# Altium PCB RevA3.PcbDoc (part 1 of 5) (continued)
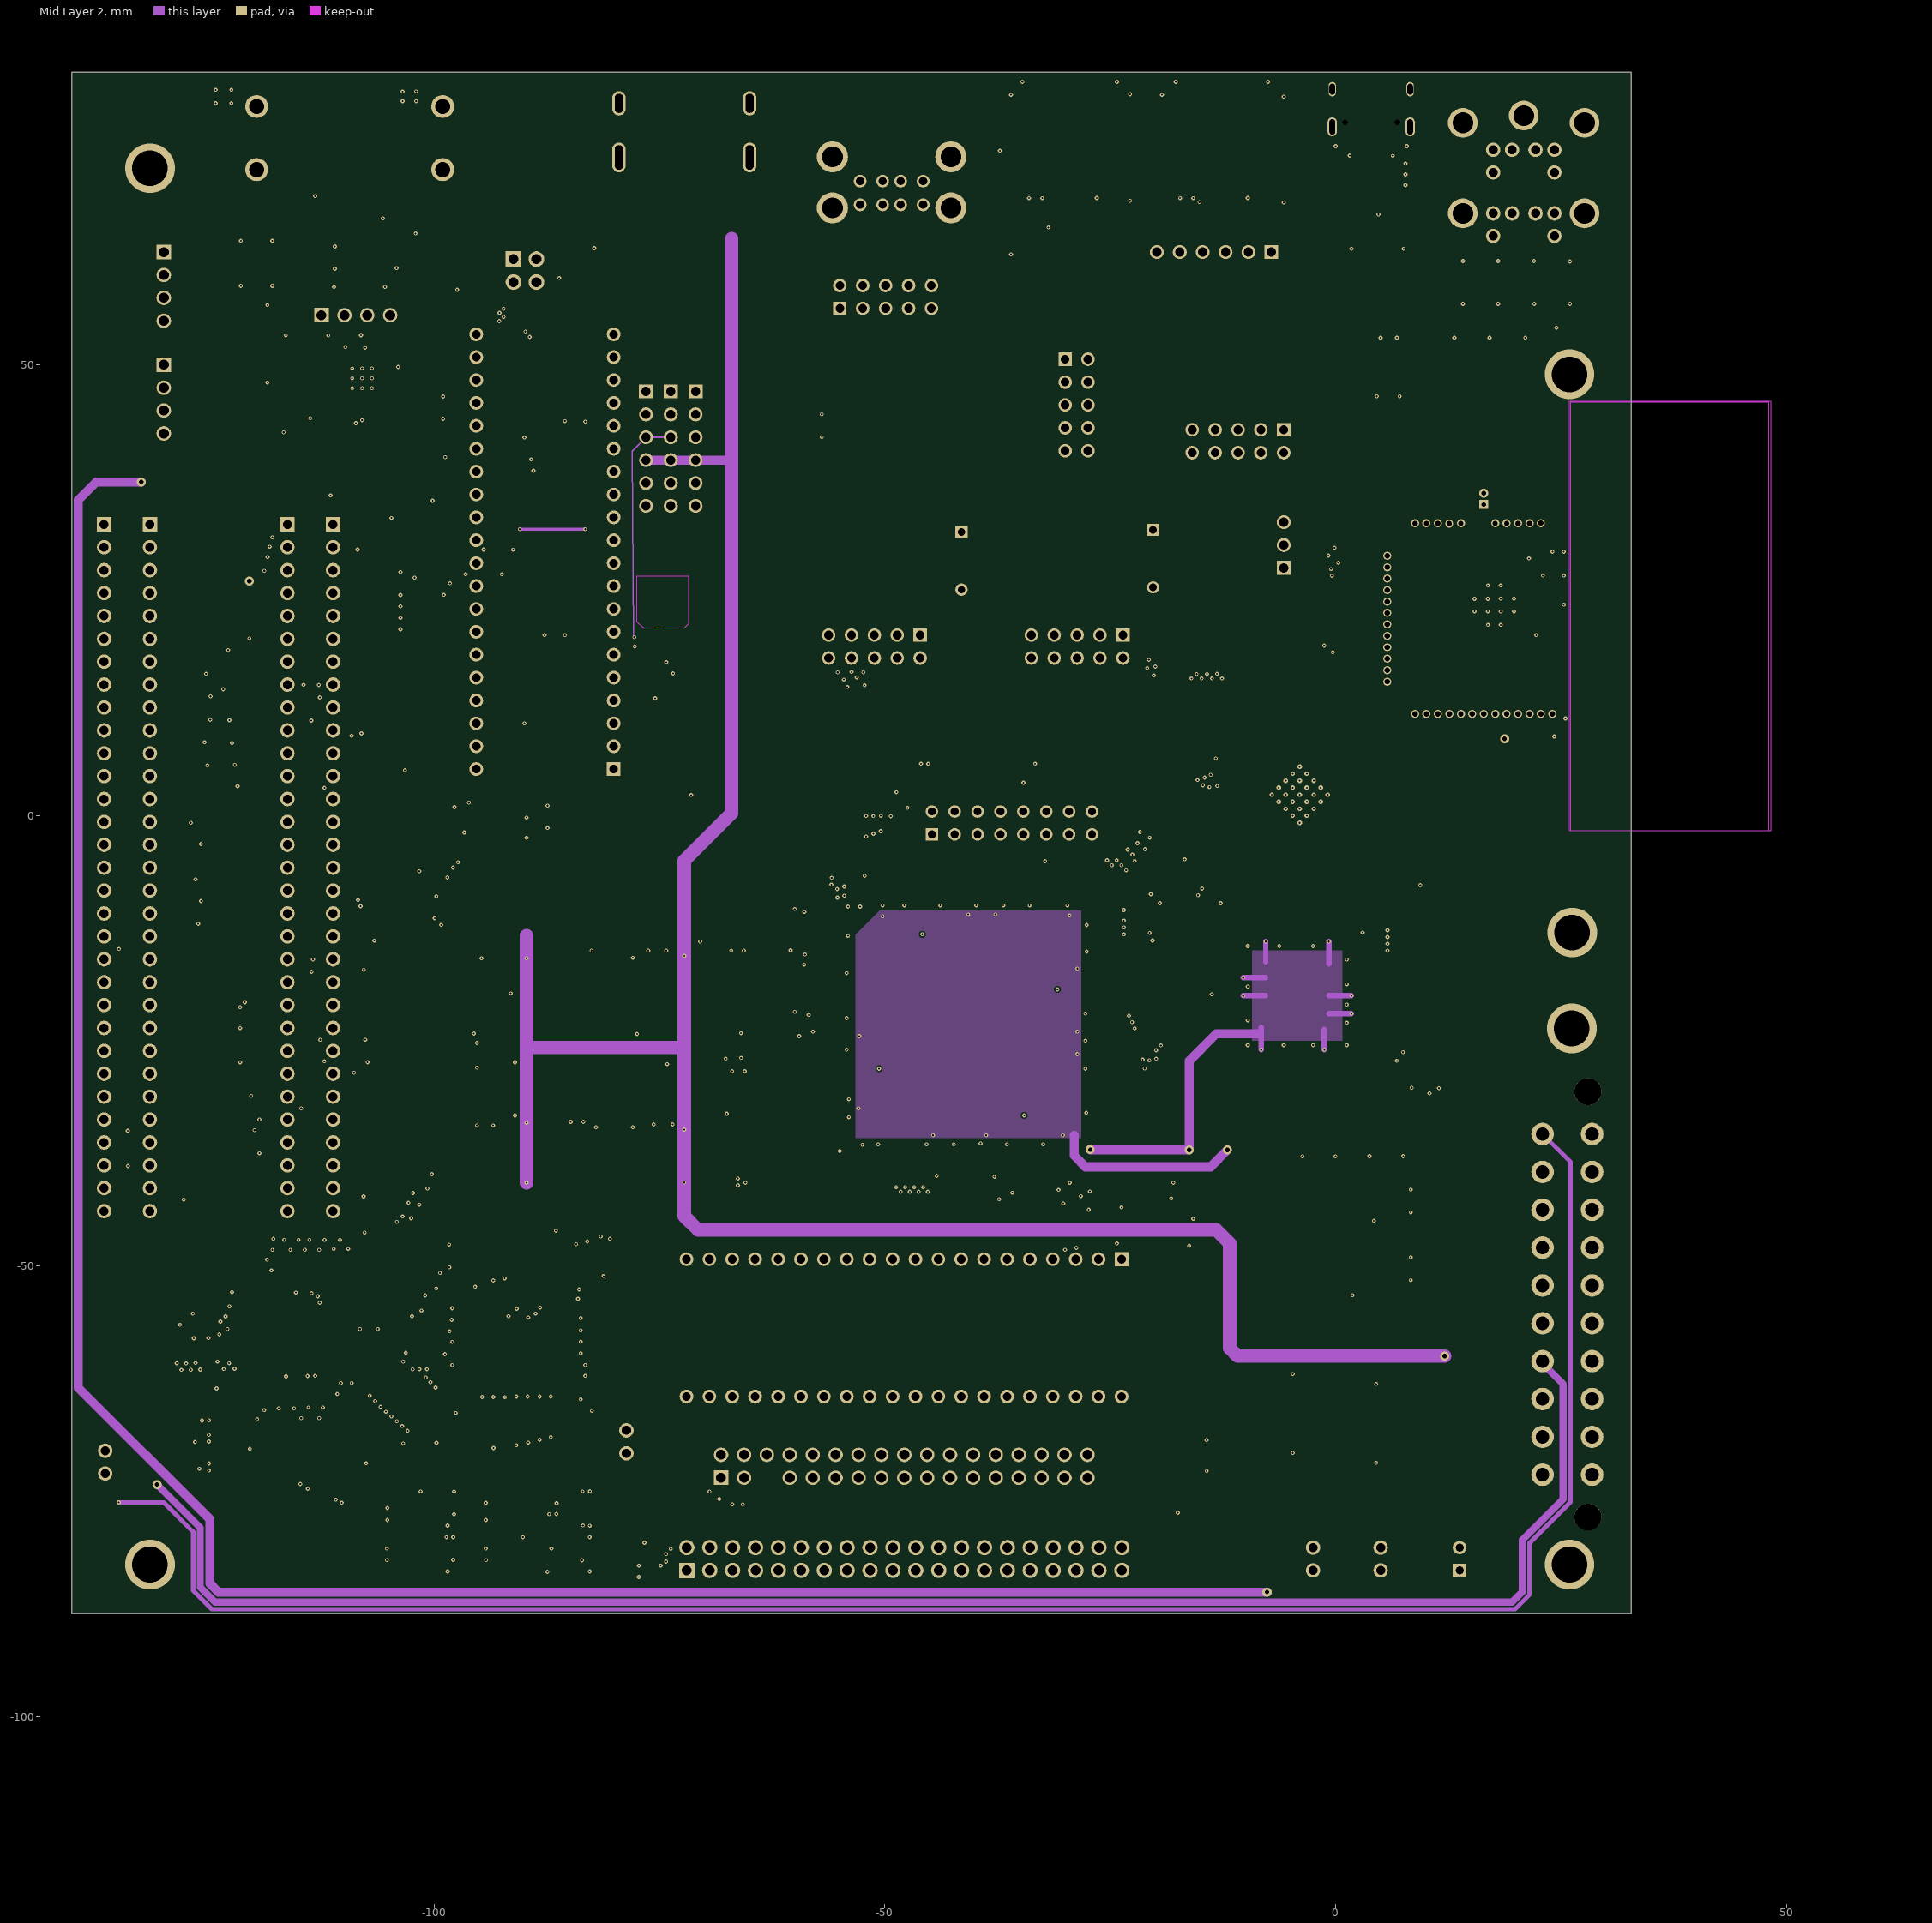
[diagram p3: Mid Layer 2]

## Layer stack, top to bottom
Top Solder: solder mask 0.0127, Solder Resist, Dk 3.8
Top Layer: signal copper 0.035
Dielectric 1: prepreg 0.1, 2313, Dk 4.05
Mid Layer 1: plane copper 0.0175, net GND
Core: core 1.265, FR-4, Dk 4.5
Mid Layer 2: signal copper 0.0175
Dielectric 2: prepreg 0.1, 2313, Dk 4.05
Bottom Layer: signal copper 0.035
Bottom Solder: solder mask 0.0127, Solder Resist, Dk 3.8

## Board outline
-140.2,-88.54 32.8,-88.54 32.8,82.46 -140.2,82.46

## Design rules (kind name [scope] priority, off if disabled: settings)
BoardOutlineClearance [All] p1: gap=0.2 ignorepadtopadclearanceinfootprint=FALSE
Clearance [All] p1: gap=0.15 ignorepadtopadclearanceinfootprint=FALSE except(0.2: Arc-SMDPad Arc-THPad Arc-Text Track-SMDPad Track-THPad Track-Text SMDPad-SMDPad SMDPad-Text THPad-Text Via-Text Fill-Text Poly-Text Region-Text Text-Text; 0.25: Arc-Hole Track-Hole THPad-Hole Via-Hole Fill-Hole Poly-Hole Region-Hole Text-Hole)
ComponentClearance [All] p1: gap=0.127 collisioncheckmode=3 verticalgap=0.127 showdistances=TRUE
DiffPairsRouting [All] p1: maxlimit=0.15 minlimit=0.15 mostfreqgap=0.15 toplayer_minwidth=0.15 toplayer_maxwidth=0.15 toplayer_prefwidth=0.15 midlayer1_minwidth=0.15 midlayer1_maxwidth=0.15 midlayer1_prefwidth=0.15 bottomlayer_minwidth=0.15 bottomlayer_maxwidth=0.15 bottomlayer_prefwidth=0.15 maxuncoupledlength=12.7
Height [All] p1: minheight=0 maxheight=1816.048 prefheight=12.7
HoleSize [All] p1: absolutevalues=TRUE maxlimit=6.3 minlimit=0.3 maxpercent=80.000 minpercent=20.000
HoleToHoleClearance [All] p1: gap=0.25 allowstackedmicrovias=FALSE
MatchedLengths "Schematic Matched Net Lengths_15" [InNet('HDMI_TX1_13_N')] p1: tolerance=0.254 checknetsindiffpair=FALSE checkdiffpairvsdiffpair=TRUE checkxsignals=TRUE checkothers=TRUE
MatchedLengths "Schematic Matched Net Lengths_14" [InNet('HDMI_TX0_13_N')] p2: tolerance=0.254 checknetsindiffpair=FALSE checkdiffpairvsdiffpair=TRUE checkxsignals=TRUE checkothers=TRUE
MatchedLengths "Schematic Matched Net Lengths_13" [InNet('HDMI_TX2_13_N')] p3: tolerance=0.254 checknetsindiffpair=FALSE checkdiffpairvsdiffpair=TRUE checkxsignals=TRUE checkothers=TRUE
MatchedLengths "Schematic Matched Net Lengths_12" [InNet('HDMI_CLK_13_P')] p4: tolerance=0.254 checknetsindiffpair=FALSE checkdiffpairvsdiffpair=TRUE checkxsignals=TRUE checkothers=TRUE
MatchedLengths "Schematic Matched Net Lengths_11" [InNet('HDMI_CLK_13_N')] p5: tolerance=0.254 checknetsindiffpair=FALSE checkdiffpairvsdiffpair=TRUE checkxsignals=TRUE checkothers=TRUE
MatchedLengths "Schematic Matched Net Lengths_10" [InNet('HDMI_TX1_13_P')] p6: tolerance=0.254 checknetsindiffpair=FALSE checkdiffpairvsdiffpair=TRUE checkxsignals=TRUE checkothers=TRUE
MatchedLengths "Schematic Matched Net Lengths_9" [InNet('HDMI_TX0_13_P')] p7: tolerance=0.254 checknetsindiffpair=FALSE checkdiffpairvsdiffpair=TRUE checkxsignals=TRUE checkothers=TRUE
MatchedLengths "Schematic Matched Net Lengths_8" [InNet('HDMI_TX2_13_P')] p8: tolerance=0.254 checknetsindiffpair=FALSE checkdiffpairvsdiffpair=TRUE checkxsignals=TRUE checkothers=TRUE
MatchedLengths "Schematic Matched Net Lengths_7" [InNet('HDMI_TX1_13_N')] p9: tolerance=0.127 checknetsindiffpair=TRUE checkdiffpairvsdiffpair=FALSE checkxsignals=FALSE checkothers=FALSE
MatchedLengths "Schematic Matched Net Lengths_6" [InNet('HDMI_TX0_13_N')] p10: tolerance=0.127 checknetsindiffpair=TRUE checkdiffpairvsdiffpair=FALSE checkxsignals=FALSE checkothers=FALSE
MatchedLengths "Schematic Matched Net Lengths_5" [InNet('HDMI_TX2_13_N')] p11: tolerance=0.127 checknetsindiffpair=TRUE checkdiffpairvsdiffpair=FALSE checkxsignals=FALSE checkothers=FALSE
MatchedLengths "Schematic Matched Net Lengths_4" [InNet('HDMI_CLK_13_P')] p12: tolerance=0.127 checknetsindiffpair=TRUE checkdiffpairvsdiffpair=FALSE checkxsignals=FALSE checkothers=FALSE
MatchedLengths "Schematic Matched Net Lengths_3" [InNet('HDMI_CLK_13_N')] p13: tolerance=0.127 checknetsindiffpair=TRUE checkdiffpairvsdiffpair=FALSE checkxsignals=FALSE checkothers=FALSE
MatchedLengths "Schematic Matched Net Lengths_2" [InNet('HDMI_TX1_13_P')] p14: tolerance=0.127 checknetsindiffpair=TRUE checkdiffpairvsdiffpair=FALSE checkxsignals=FALSE checkothers=FALSE
MatchedLengths "Schematic Matched Net Lengths_1" [InNet('HDMI_TX0_13_P')] p15: tolerance=0.127 checknetsindiffpair=TRUE checkdiffpairvsdiffpair=FALSE checkxsignals=FALSE checkothers=FALSE
MatchedLengths "Schematic Matched Net Lengths" [InNet('HDMI_TX2_13_P')] p16: tolerance=0.127 checknetsindiffpair=TRUE checkdiffpairvsdiffpair=FALSE checkxsignals=FALSE checkothers=FALSE
MinimumAnnularRing [All] p1: minimumring=0.076
MinimumSolderMaskSliver [All] p1: minsoldermaskwidth=0
PlaneClearance [All] p1: clearance=0.127
PlaneConnect PlaneConnectPowerPads [InPadClass('PowerPads')] p1: planeconnectstyle=Direct reliefexpansion=0.508 reliefentries=4 reliefconductorwidth=0.254 reliefairgap=0.254
PlaneConnect [All] p2: pad.planeconnectstyle=Relief pad.reliefexpansion=0.3 pad.reliefentries=4 pad.reliefconductorwidth=0.127 pad.reliefairgap=0.127 via.planeconnectstyle=Direct via.reliefexpansion=0.3 via.reliefentries=4 via.reliefconductorwidth=0.127 via.reliefairgap=0.127
PolygonConnect PolygonConnectPowerPads [All vs (InPadClass('PowerPads'))] p1: connectstyle=Direct reliefconductorwidth=0.254 reliefentries=4 polygonreliefangle="90 Angle" airgapwidth=0.254
PolygonConnect [All] p2: thpad.connectstyle=Relief thpad.reliefconductorwidth=0.127 thpad.reliefentries=4 thpad.polygonreliefangle="90 Angle" thpad.airgapwidth=0.127 smdpad.connectstyle=Relief smdpad.reliefconductorwidth=0.127 smdpad.reliefentries=4 smdpad.polygonreliefangle="90 Angle" smdpad.airgapwidth=0.127 via.connectstyle=Direct via.reliefconductorwidth=0.127 via.reliefentries=4 via.polygonreliefangle="90 Angle" via.airgapwidth=0.127
RoutingVias [All] p1: holewidth=0.3 width=0.6 viastyle="Through Hole" minholewidth=0.3 minwidth=0.6 maxholewidth=8 maxwidth=8
SilkToSilkClearance [All] p1: silktosilkclearance=0
SilkToSolderMaskClearance [IsPad] p1: minsilkscreentomaskgap=0.127 clearancetoexposedcopper=TRUE
SolderMaskExpansion [All] p1: expansion=0.05 istentingtop=FALSE
Width [All] p1: maxlimit=25.4 minlimit=0.15 preferedwidth=0.15 minimp=50.000000 maximp=50.000000 favimp=50.000000
20 further rules are at their usual default settings.

## Classes and differential pairs
component class U_PLL: C90 C91 D11 FB4 Q2 R47 R48 R50
net class FPGA_SEL[0..1]: FPGA_SEL0 FPGA_SEL1
net class RD[0..15]: RD0 RD1 RD2 RD3 RD4 RD5 RD6 RD7 RD8 RD9 RD10 RD11 RD12 RD13 RD14 RD15
net class RA[0..9]: RA0 RA1 RA2 RA3 RA4 RA5 RA6 RA7 RA8 RA9
net class U_Memory_Nets: NetRAM1_11 NetRAM1_12 NetRAM1_15 NetRAM1_16 NetRAM1_32 NetRAM2_11 NetRAM2_12 NetRAM2_15 NetRAM2_16 NetRAM2_32
net class "U_AY Amp_Nets": AVDD CHA_3 CHB_3 CHC_3 JDET_3 left_ch1_3 left_ch2_3 left_ch3_3 LOUT_3 NetC1_2 NetC2_2 NetC4_2 NetC5_2 NetC6_1 NetC6_2 NetC7_1 NetC8_1 NetC9_1 NetC9_2 NetC18_1 NetC19_1 NetC20_1 NetC21_1 NetD2_6 NetD3_5 NetD3_6 NetD3_7 NetD3_9 NetD3_12 NetD3_13 NetD3_14 NetD3_15 NetD3_16 NetD3_17 NetD3_18 NetD3_19 NetD3_20 NetD3_21 NetD3_39 NetD19_1 NetD19_3 NetD19_5 NetR26_1 NetR28_1 NetU1_20 NetU1_32 NetX7_2 NetX7_5 right_ch1_3 right_ch2_3 right_ch3_3 ROUT_3 SPK_LN_3 SPK_LP_3 SPK_RN_3 SPK_RP_3
net class U_Gamepads_Nets: GPAD1_BTN_B_10 GPAD1_BTN_C_10 GPAD1_DN_10 GPAD1_LEFT_10 GPAD1_RIGHT_10 GPAD1_UP_10 GPAD2_BTN_B_10 GPAD2_BTN_C_10 GPAD2_DN_10 GPAD2_LEFT_10 GPAD2_RIGHT_10 GPAD2_UP_10 GPAD_SELECT_10 LED1_10 NetC55_2 NetC56_2 NetU4_13 NetU5_13 NetX1_10 NetX14_10
net class FPGA_Nets: CLKZ_IN_1 CLKZ_OUT_1 CSROM_1 GPIO_0_1 GPIO_1_1 GPIO_2_1 GPIO_3_1 GPIO_4_1 GPIO_5_1 GPIO_6_1 GPIO_7_1 GPIO_8_1 GPIO_9_1 GPIO_10_1 GPIO_11_1 GPIO_12_1 GPIO_13_1 NetD3_2 NetD3_4 NetD3_8 NetD3_10 NetD3_11 NetD8_62 NetD8_134 NetD9_114 NetD9_139 NetD9_168 NetD9_186 NetD9_189 NetD9_190 NetX15_6 NetX15_7 NetX15_8 R\D\A\T\_\B\_1 R\O\M\P\G\0\_1 RES_1 TDI_FPGA_1 VCC5
net class U_FDC_Nets: D\I\R\_5 D\S\0\_5 D\S\1\_5 D\S\2\_5 D\S\3\_5 DIR_5 HD0_5 HD1_5 HD2_5 HD3_5 HD4_5 HD5_5 HD6_5 HD7_5 HD8_5 HD9_5 HD10_5 HD11_5 HD12_5 HD13_5 HD14_5 HD15_5 HDD_RDBUF_5 HDD_RDH_5 HDD_RDL_5 HDD_WRH_5 HDD_WRL_5 HDD_WROE_5 I\P\_5 M\O\T\_5 NetD7_12 NetD13_25 NetD14_12 NetD14_13 NetD14_14 NetD14_15 NetX15_2 NetX15_4 NetX15_5 NetX15_34 R\D\A\T\_5 S\I\D\E\_5 S\T\E\P\_5 T\R\0\0\_5 VG_DS0_5 VG_DS1_5 VG_DS2_5 VG_DS3_5 VG_MOT_5 W\D\_5 W\G\_5 W\P\_5 WG_5
net class U_ESP32_Nets: ESP_IO45_11 ESP_IO46_11 NetC10_1 NetC12_1 NetD5_2 NetD5_9 NetD5_10 NetD5_11 NetD5_12 NetD5_13 NetD5_14 NetD5_15 NetD5_16 NetD5_17 NetD5_18 NetD5_19 NetD5_20 NetD5_21 NetD5_22 NetD5_23 NetD5_24 NetD5_25 NetD5_26 NetD5_28 NetD5_29 NetD5_30 NetD5_31 NetD5_38 NetD5_39 NetD17_24 NetQ4_3 NetQ5_1 NetQ6_1 NetQ7_3 NetQ9_3 NetQ10_3 NetR98_1 NetR99_1 NetR104_1 NetR105_1 NetX2_7 P\R\G\R\S\T\_11 PS2_KEYB_CLK_11 PS2_KEYB_DAT_11 PS2_MOUS_CLK_11 PS2_MOUS_DAT_11
net class "U_CPU ROM_Nets": NetD16_11 NetD16_17 NetD16_33 NetD16_39
net class U_BUS_Nets: NetXS1_A5 NetXS1_A8 NetXS1_A17 NetXS1_A18 NetXS1_B4 NetXS1_B5 NetXS1_B20 NetXS1_B22 NetXS1_B23 NetXS2_A5 NetXS2_A8 NetXS2_A17 NetXS2_A18 NetXS2_A31 NetXS2_B4 NetXS2_B5 NetXS2_B20 NetXS2_B22 NetXS2_B23 NetXS2_B31 VCC12S
net class D[0..7]: D0 D1 D2 D3 D4 D5 D6 D7
net class A[0..15]: A0 A1 A2 A3 A4 A5 A6 A7 A8 A9 A10 A11 A12 A13 A14 A15
net class ROMPG[2..4]: ROMPG2 ROMPG3 ROMPG4
net class VDAT[0..15]: VDAT0 VDAT1 VDAT2 VDAT3 VDAT4 VDAT5 VDAT6 VDAT7 VDAT8 VDAT9 VDAT10 VDAT11 VDAT12 VDAT13 VDAT14 VDAT15
net class DAC_R[0..7]: DAC_R0 DAC_R1 DAC_R2 DAC_R3 DAC_R4 DAC_R5 DAC_R6 DAC_R7
net class DAC_G[0..7]: DAC_G0 DAC_G1 DAC_G2 DAC_G3 DAC_G4 DAC_G5 DAC_G6 DAC_G7
net class DAC_B[0..7]: DAC_B0 DAC_B1 DAC_B2 DAC_B3 DAC_B4 DAC_B5 DAC_B6 DAC_B7
component class U_USB: C35 C36 C38 C39 C92 C93 C94 C95 D8 J6 J7 Q1 Q3 R36 RN6 U2 X9
component class "U_Video out": C65 J8 R37 R43 R45 R54 R58 R67 U6
component class U_Gamepads: C55 C56 C74 C83 D15 D16 R74 U3 U4 X1 X14
component class U_ESP32: C10 C12 C13 C16 C113 C114 D17 J3 J4 Q4 Q5 Q6 Q7 Q8 Q9 Q10 R51 R52 R63 R64 R65 R66 R75 R76 R98 R99 R104 R105 RN3 RN4 RN5 X2 X16 X17
component class U_CPLD: C63 C64 C67 C68 C69 C71 C72 C73 U7
pad class PowerPads: D17-EPAD
component class U_SDCARD: C33 CD1 CD2 L4 RN1 RN2 X25
component class U_BUS: C3 C11 C14 C15 C26 C27 J1 R9 R10 R11 XS1 XS2
component class U_Tape: C28 C31 C34 C107 D2 R14 R15 R16 R33 R34 R35 VD1 VD2 X4 X8
component class "U_CPU ROM": C100 C105 C108 D1 D18 R1 R2 R3 R4 R5 R6 R7 R8
component class "U_Power ATX": C40 C41 C42 C43 C44 C47 C48 C49 C50 C51 C52 C53 C54 C57 C58 C59 C60 C61 C62 C75 C76 C77 C82 C84 C85 C86 C88 C89 D13 D14 D20 D21 L2 L3 L5 L6 PWR1 Q11 Q12 Q13 Q14 Q15 Q16 R107 R112 R113 R120 R121 R122 R123 R124 R125 R126 R127 RN7 RN8 U5 VT1 VT2
component class U_Memory: C96 C97 C98 C99 C101 C102 C103 C104 RAM1 RAM2
component class FPGA: C106 D3 D9 J21 R12 R13 R17 R18 R19 R20 R39 R40 R41 R42 R49 R60 R71 R72 R73 R83 R108 R109 R110 R111 VD5 X15 X22 X23 X24
component class U_FDC: C37 C45 C46 C87 D6 D7 D10 D12 J2 J9 R38 R44 R46 R53 R55 R56 R57 R59 R61 R62 U8 U9 U10 U11 X10
component class "U_AY Amp": C1 C2 C4 C5 C6 C7 C8 C9 C17 C18 C19 C20 C21 C22 C23 C24 C25 C29 C30 C32 D4 D5 D19 J5 L1 P1 R21 R22 R23 R24 R25 R26 R27 R28 R29 R30 R31 R32 R84 R85 R100 R101 R102 R103 R106 U1 X5 X6
differential pair HDMI_TX2_13: +HDMI_TX2_13_P -HDMI_TX2_13_N
differential pair HDMI_TX1_13: +HDMI_TX1_13_P -HDMI_TX1_13_N
differential pair HDMI_TX0_13: +HDMI_TX0_13_P -HDMI_TX0_13_N
differential pair HDMI_CLK_13: +HDMI_CLK_13_P -HDMI_CLK_13_N
differential pair USB_DEV_7: +USB_DEV_7_p -USB_DEV_7_n
differential pair USB4_7: +USB4_7_p -USB4_7_n
differential pair USB3_7: +USB3_7_p -USB3_7_n
differential pair USB2_7: +USB2_7_p -USB2_7_n
differential pair USB1_7: +USB1_7_p -USB1_7_n
differential pair USB_1: +USB_1_p -USB_1_n

## Components (designator, comment, footprint, x,y, rotation, side; value= is the part's Value field where it differs from the comment)
C1 "CC0805KRX7R9BB221" FP-CC0805-0_85-IPC_A#1 -122.502,62.44 r180 top value="220 pF"
C2 "CC0805KRX7R9BB221" FP-CC0805-0_85-IPC_A#1 -116.901,62.44 r0 top value="220 pF"
C3 "CC0805KRX7R9BB104" FP-CC0805-0_85-IPC_A#1 -136.5,-77.151 r270 top value="100 nF"
C4 "GCM21BR71E105KA56L" FP-GCM21B-0_15-IPC_A -85.5,35.676 r90 top value=1uF
C5 "GCM21BR71E105KA56L" FP-GCM21B-0_15-IPC_A -90,35.676 r90 top value=1uF
C6 "GCM21BR71E105KA56L" FP-GCM21B-0_15-IPC_A -87.75,35.676 r90 top value=1uF
C7 "GCM21BR71E105KA56L" FP-GCM21B-0_15-IPC_A -83.25,22.176 r90 top value=1uF
C8 "GCM21BR71E105KA56L" FP-GCM21B-0_15-IPC_A -90,22.176 r90 top value=1uF
C9 "GCM21BR71E105KA56L" FP-GCM21B-0_15-IPC_A -83.25,35.676 r270 top value=1uF
C10 "CL21C1R5CBANNNC" FP-CL21-IPC_A 20.176,36.25 r0 bottom value=1.5pF
C11 "TAJB226K016RNJ" AVX-TAJ-B-2_M -132.225,-71.75 r180 top value=22uF
C12 "CL21C1R5CBANNNC" FP-CL21-IPC_A 20.176,34 r0 bottom value=1.5pF
C13 "GCM21BR71E105KA56L" FP-GCM21B-0_15-IPC_A 8.75,-82.176 r90 top value=1uF
C14 "TAJB226K016RNJ" AVX-TAJ-B-2_M -124.068,25.735 r270 top value=22uF
C15 "CC0805KRX7R9BB104" FP-CC0805-0_85-IPC_A#1 -108.5,32.391 r90 bottom value="100 nF"
C16 "GCM21BR71E105KA56L" FP-GCM21B-0_15-IPC_A 1.25,-82.176 r90 top value=1uF
C17 "GRM31CR60J107ME39L" CAPC3216X190X55ML30T25 -115.225,46.25 r180 top value="100 uF"
C18 "GCM21BR71E105KA56L" FP-GCM21B-0_15-IPC_A -122.926,42 r0 top value=1uF
C19 "GCM21BR71E105KA56L" FP-GCM21B-0_15-IPC_A -122.926,44.5 r0 top value=1uF
C20 "GCM21BR71E105KA56L" FP-GCM21B-0_15-IPC_A -122.926,39.5 r0 top value=1uF
C21 "GCM21BR71E105KA56L" FP-GCM21B-0_15-IPC_A -122.926,47 r0 top value=1uF
C22 "GRM31CR60J107ME39L" CAPC3216X190X55ML30T25 -115.225,49.125 r180 top value="100 uF"
C23 "C0805C106K8PACTU" FP-C0805C-DG-IPC_A#1 -110.475,52.349 r270 bottom value=10uF
C24 "CC0805KRX7R9BB104" FP-CC0805-0_85-IPC_A#1 -107.125,52.349 r270 bottom value="100 nF"
C25 "CC0805KRX7R9BB104" FP-CC0805-0_85-IPC_A#1 -101.099,46.475 r0 top value="100 nF"
C26 "CC0805KRX7R9BB104" FP-CC0805-0_85-IPC_A#1 -107.333,-35.04 r0 bottom value="100 nF"
C27 "CC0805KRX7R9BB104" FP-CC0805-0_85-IPC_A#1 -107.333,-37.455 r0 bottom value="100 nF"
C28 "C0805C106K8PACTU" FP-C0805C-DG-IPC_A#1 -95,60.69 r270 top value=10uF
C29 "C0805C106K8PACTU" FP-C0805C-DG-IPC_A#1 -114.651,45.625 r180 bottom value=10uF
C30 "CC0805KRX7R9BB104" FP-CC0805-0_85-IPC_A#1 -114.651,42.5 r180 top value="100 nF"
C31 "C0805C106K8PACTU" FP-C0805C-DG-IPC_A#1 -84.7,60.518 r90 top value=10uF
C32 "CC0805KRX7R9BB104" FP-CC0805-0_85-IPC_A#1 -101.099,44 r0 top value="100 nF"
C33 "GRM31CR60J107ME39L" CAPC3216X190X55ML30T25 -33.225,62.25 r0 top value="100 uF"
C34 "CC0805KRX7R9BB104" FP-CC0805-0_85-IPC_A#1 -84.75,60.651 r90 bottom value="100 nF"
C35 "C0805C106K8PACTU" FP-C0805C-DG-IPC_A#1 -37.189,38.5 r0 top value=10uF
C36 "C0805C106K8PACTU" FP-C0805C-DG-IPC_A#1 -46.651,49.75 r180 top value=10uF
C37 "CC0805KRX7R9BB104" FP-CC0805-0_85-IPC_A#1 -68.82,-97.049 r90 bottom value="100 nF"
C38 "CC0805KRX7R9BB104" FP-CC0805-0_85-IPC_A#1 3.25,63.761 r90 bottom value="100 nF"
C39 "CC0805KRX7R9BB104" FP-CC0805-0_85-IPC_A#1 -42.309,38.5 r0 top value="100 nF"
C40 "C0805C106K8PACTU" FP-C0805C-DG-IPC_A#2 -15.277,-84.25 r0 top value=10uF
C41 "C0805C106K8PACTU" FP-C0805C-DG-IPC_A#2 -15.277,-74 r0 top value=10uF
C42 "CC0805KRX7R9BB221" FP-CC0805-0_85-IPC_A#2 -15.227,-76.25 r180 bottom value="220 pF"
C43 "C0805C106K8PACTU" FP-C0805C-DG-IPC_A#2 0.95,-55 r180 top value=10uF
C44 "C0805C106K8PACTU" FP-C0805C-DG-IPC_A#2 2.924,-45.977 r90 top value=10uF
C45 "CC0805KRX7R9BB104" FP-CC0805-0_85-IPC_A#1 -19,-65.599 r270 bottom value="100 nF"
C46 "CC0805KRX7R9BB104" FP-CC0805-0_85-IPC_A#1 -84.349,-112.75 r0 bottom value="100 nF"
C47 "C0805C180J5GACTU" FP-C0805C-DN-IPC_A 2.023,-45 r0 bottom value="18 pF"
C48 "TAJB226K016RNJ" AVX-TAJ-B-2_M -76.329,0.137 r180 top value=22uF
C49 "TAJB226K016RNJ" AVX-TAJ-B-2_M -10,-35.65 r90 top value=22uF
C50 "CC0805KRX7R9BB104" FP-CC0805-0_85-IPC_A#1 -75.915,-2.853 r180 top value="100 nF"
C51 "CC0805KRX7R9BB104" FP-CC0805-0_85-IPC_A#1 -9.099,-40.75 r0 top value="100 nF"
C52 "C0805C106K8PACTU" FP-C0805C-DG-IPC_A#2 6.25,-72.773 r270 top value=10uF
C53 "TAJB226K016RNJ" AVX-TAJ-B-2_M -14,-35.65 r90 top value=22uF
C54 "CC0805KRX7R9BB104" FP-CC0805-0_85-IPC_A#1 -14.901,-40.75 r180 top value="100 nF"
C55 "GCM21BR71E105KA56L" FP-GCM21B-0_15-IPC_A -41.5,28.324 r270 bottom value=1uF
C56 "GCM21BR71E105KA56L" FP-GCM21B-0_15-IPC_A -20.25,28.574 r270 bottom value=1uF
C57 "C0805C106K8PACTU" FP-C0805C-DG-IPC_A#2 -2.523,-70.75 r180 top value=10uF
C58 "C0805C180J5GACTU" FP-C0805C-DN-IPC_A -1,-71.701 r90 bottom value="18 pF"
C59 "C0805C106K8PACTU" FP-C0805C-DG-IPC_A#2 6.25,-64.023 r270 top value=10uF
C60 "C0805C106K8PACTU" FP-C0805C-DG-IPC_A#2 -2.523,-62 r180 top value=10uF
C61 "TAJB226K016RNJ" AVX-TAJ-B-2_M 13.569,-57 r0 top value=22uF
C62 "CC0805KRX7R9BB104" FP-CC0805-0_85-IPC_A#1 20.75,5.5 r180 bottom value="100 nF"
C63 "CC0805KRX7R9BB104" FP-CC0805-0_85-IPC_A#1 4.151,-22.25 r0 bottom value="100 nF"
C64 "CC0805KRX7R9BB104" FP-CC0805-0_85-IPC_A#1 -1.25,-28.401 r270 bottom value="100 nF"
C65 "CC0805KRX7R9BB104" FP-CC0805-0_85-IPC_A#2 36.5,-85.05 r0 top value="100 nF"
C67 "CC0805KRX7R9BB104" FP-CC0805-0_85-IPC_A#1 4.151,-20 r0 bottom value="100 nF"
C68 "CC0805KRX7R9BB104" FP-CC0805-0_85-IPC_A#1 -8.253,-28.401 r270 bottom value="100 nF"
C69 "CC0805KRX7R9BB104" FP-CC0805-0_85-IPC_A#1 -12.651,-18 r180 bottom value="100 nF"
C71 "CC0805KRX7R9BB104" FP-CC0805-0_85-IPC_A#1 -12.651,-20.281 r180 bottom value="100 nF"
C72 "CC0805KRX7R9BB104" FP-CC0805-0_85-IPC_A#1 -7.75,-11.599 r90 bottom value="100 nF"
C73 "CC0805KRX7R9BB104" FP-CC0805-0_85-IPC_A#1 -0.75,-11.599 r90 bottom value="100 nF"
C74 "CC0805KRX7R9BB104" FP-CC0805-0_85-IPC_A#1 -49.349,25.047 r0 bottom value="100 nF"
C75 "C0805C180J5GACTU" FP-C0805C-DN-IPC_A -1,-63.001 r90 bottom value="18 pF"
C76 "CC0805KRX7R9BB104" FP-CC0805-0_85-IPC_A#1 -28.25,-19.3 r0 bottom value="100 nF"
C77 "CC0805KRX7R9BB104" FP-CC0805-0_85-IPC_A#1 -28.151,-30 r0 bottom value="100 nF"
C82 "CC0805KRX7R9BB104" FP-CC0805-0_85-IPC_A#1 -34.55,-35.901 r270 bottom value="100 nF"
C83 "CC0805KRX7R9BB104" FP-CC0805-0_85-IPC_A#1 -28.099,25.047 r0 bottom value="100 nF"
C84 "CC0805KRX7R9BB104" FP-CC0805-0_85-IPC_A#1 -35.5,-10.401 r90 bottom value="100 nF"
C85 "CC0805KRX7R9BB104" FP-CC0805-0_85-IPC_A#1 -45.85,-10.599 r90 bottom value="100 nF"
C86 "CC0805KRX7R9BB104" FP-CC0805-0_85-IPC_A#1 -47.5,-35.849 r270 bottom value="100 nF"
C87 "CC0805KRX7R9BB104" FP-CC0805-0_85-IPC_A#1 -84,-116 r0 bottom value="100 nF"
C88 "CC0805KRX7R9BB104" FP-CC0805-0_85-IPC_A#1 -53.349,-19.5 r180 bottom value="100 nF"
C89 "CC0805KRX7R9BB104" FP-CC0805-0_85-IPC_A#1 -53.401,-28.1 r180 bottom value="100 nF"
C90 "CC0805KRX7R9BB104" FP-CC0805-0_85-IPC_A#1 -76.382,14.523 r180 bottom value="100 nF"
C91 "CC0805KRX7R9BB104" FP-CC0805-0_85-IPC_A#1 -76.382,17.063 r180 bottom value="100 nF"
C92 "C0805C106K8PACTU" FP-C0805C-DG-IPC_A#1 -57.5,55.349 r270 bottom value=10uF
C93 "C0805C106K8PACTU" FP-C0805C-DG-IPC_A#1 -57.5,59.691 r90 bottom value=10uF
C94 "C0805C106K8PACTU" FP-C0805C-DG-IPC_A#1 -46.75,73 r180 bottom value=10uF
C95 "C0805C106K8PACTU" FP-C0805C-DG-IPC_A#1 -46.46,64.5 r180 bottom value=10uF
C96 "CC0805KRX7R9BB104" FP-CC0805-0_85-IPC_A#1 -73.151,-21 r180 bottom value="100 nF"
C97 "CC0805KRX7R9BB104" FP-CC0805-0_85-IPC_A#1 -73.155,-30.75 r180 bottom value="100 nF"
C98 "CC0805KRX7R9BB104" FP-CC0805-0_85-IPC_A#1 -73.165,-37.61 r180 bottom value="100 nF"
C99 "CC0805KRX7R9BB104" FP-CC0805-0_85-IPC_A#1 -73.155,-13.5 r180 bottom value="100 nF"
C100 "CC0805KRX7R9BB104" FP-CC0805-0_85-IPC_A#1 -79.005,-51.111 r0 bottom value="100 nF"
C101 "CC0805KRX7R9BB104" FP-CC0805-0_85-IPC_A#1 -90.655,-13.363 r180 bottom value="100 nF"
C102 "CC0805KRX7R9BB104" FP-CC0805-0_85-IPC_A#1 -90.651,-21.25 r180 bottom value="100 nF"
C103 "CC0805KRX7R9BB104" FP-CC0805-0_85-IPC_A#1 -90.655,-30.8 r180 bottom value="100 nF"
C104 "CC0805KRX7R9BB104" FP-CC0805-0_85-IPC_A#1 -90.651,-37.75 r180 bottom value="100 nF"
C105 "CC0805KRX7R9BB104" FP-CC0805-0_85-IPC_A#1 -89.557,-57.66 r270 bottom value="100 nF"
C106 "CC0805KRX7R9BB104" FP-CC0805-0_85-IPC_A#1 -101.829,-3.244 r90 bottom value="100 nF"
C107 "CC0805KRX7R9BB104" FP-CC0805-0_85-IPC_A#1 -109.851,66.216 r180 bottom value="100 nF"
C108 "CC0805KRX7R9BB104" FP-CC0805-0_85-IPC_A#1 -118.149,-70.3 r0 bottom value="100 nF"
C113 "C0805C106K8PACTU" FP-C0805C-DG-IPC_A#1 23.099,25.25 r180 bottom value=10uF
C114 "CC0805KRX7R9BB104" FP-CC0805-0_85-IPC_A#1 23.099,28 r180 bottom value="100 nF"
CD1 "502774-0891" MOLX-502774-0891_V -29.254,74.012 r180 top locked value=5027740891
CD2 "502774-0891" MOLX-502774-0891_V -12.504,74.012 r180 top locked value=5027740891
D1 "Z84C0020FEC" QFP44X8 -122.05,-66.3 r0 top
D2 "CD4069UBM" FP-D0014A-IPC_A -110.284,62.44 r0 top locked
D3 "04" SO14 -94.65,-6.2 r180 top value=74ACT04
D4 "WM8960CGEFL/RV" QFN50P500X500X90_HS-33M -108,48.5 r90 top
D5 "YM2149" DIP40 -80.095,5.125 r180 top locked
D6 "KR1818VG93" DIP40 -23.75,-49.25 r270 top locked